# KiCad board thunderbolt-adapter.kicad_pcb (continued)
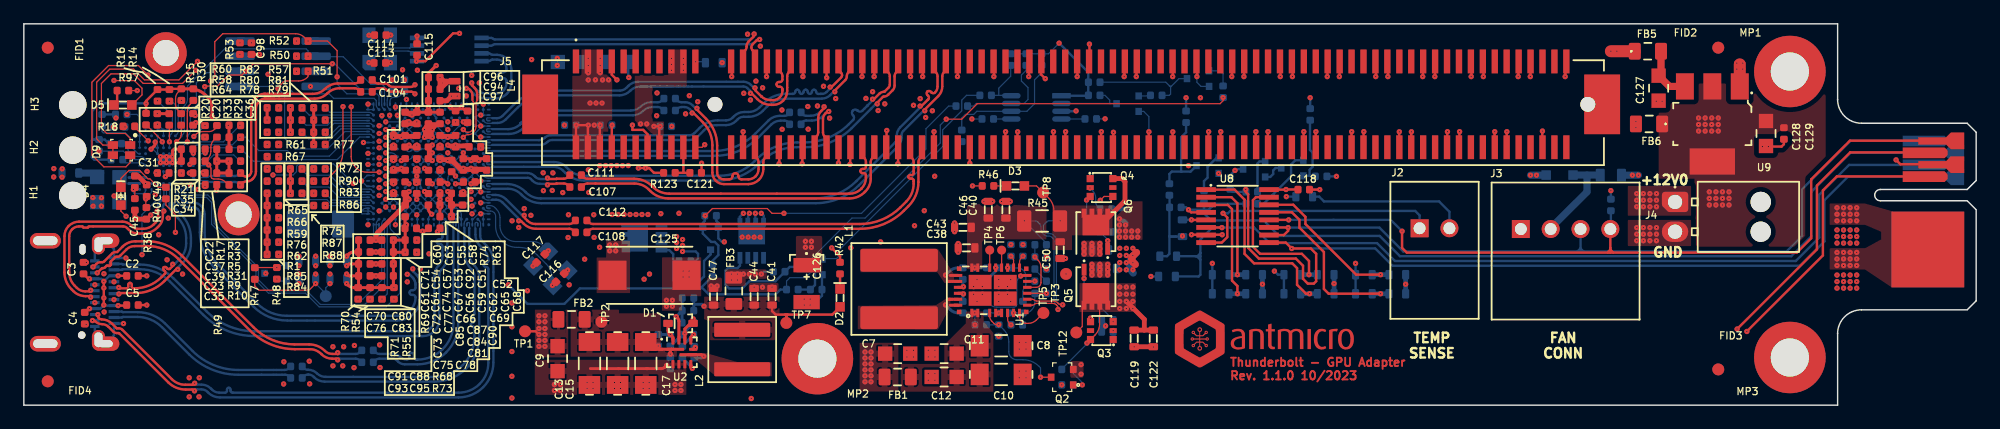
[diagram p0: board, top side]
## Library data of the parts (continued)
R39 R129 = -: Author: Antmicro; License: Apache-2.0; MPN: CR0402-FX-1002GLF; Manufacturer: Bourns; Tolerance: 1%; Val: 10k; Field10: Author: Antmicro; Field11: License: Apache-2.0
R40 = -: Author: Antmicro; License: Apache-2.0; MPN: CR0402-FX-5101GLF; Manufacturer: Bourns; Tolerance: 1%; Val: 5k1; Field11: Author: Antmicro; Field12: License: Apache-2.0
R41 R105 R130 = -: Author: Antmicro; Current: 1A; License: Apache-2.0; MPN: CR0603-J/-000ELF; Manufacturer: Bourns; Val: 0R; Field11: Author: Antmicro; Field13: License: Apache-2.0
R42 = -: Author: Antmicro; License: Apache-2.0; MPN: CR0402-FX-3300GLF; Manufacturer: Bourns; Tolerance: 1%; Val: 330R; Field10: Author: Antmicro; Field11: License: Apache-2.0; Field12: Copyright (c) 2023 Antmicro; Field13: Apache-2.0 License
R43 = -: Author: Antmicro; License: Apache-2.0; MPN: CR0402-FX-1103GLF; Manufacturer: Bourns; Tolerance: 1%; Val: 110k; Field10: Author: Antmicro; Field11: Copyright (c) 2023 Antmicro; Field12: Apache-2.0 License; Field13: License: Apache-2.0
R44 = -: Author: Antmicro; License: Apache-2.0; MPN: CR0402-FX-1002GLF; Manufacturer: Bourns; Tolerance: 1%; Val: 10k; Field11: Copyright (c) 2023 Antmicro; Field12: Apache-2.0 License; Field13: License: Apache-2.0; Field14: Author: Antmicro
R45 = -: Author: Antmicro; License: Apache-2.0; MPN: WSLP1206R0200FEA; Manufacturer: Vishay; Tolerance: 1%; Val: 0R02; Field10: Apache-2.0 License; Field11: Author: Antmicro; Field13: Copyright (c) 2023 Antmicro; Field14: License: Apache-2.0
R46 = -: Author: Antmicro; License: Apache-2.0; MPN: CR0402-FX-2201GLF; Manufacturer: Bourns; Tolerance: 1%; Val: 2k2; Field11: Author: Antmicro; Field12: License: Apache-2.0; Field13: Apache-2.0 License; Field14: Copyright (c) 2023 Antmicro
R47 R120 = -: Author: Antmicro; License: Apache-2.0; MPN: CR0402-FX-1001GLF; Manufacturer: Bourns; Tolerance: 1%; Val: 1k; Field10: Author: Antmicro; Field11: License: Apache-2.0
R49 R126 = -: Author: Antmicro; License: Apache-2.0; MPN: CR0402-FX-3300GLF; Manufacturer: Bourns; Tolerance: 1%; Val: 330R; Field10: License: Apache-2.0; Field12: Author: Antmicro
R50 R53 = -: Author: Antmicro; License: Apache-2.0; MPN: CR0402-FX-3301GLF; Manufacturer: Bourns; Tolerance: 1%; Val: 3k3; Field10: Author: Antmicro; Field11: License: Apache-2.0
R52 = -: Author: Antmicro; License: Apache-2.0; MPN: CR0402-FX-3301GLF; Manufacturer: Bourns; Tolerance: 1%; Val: 3k3; Field10: License: Apache-2.0; Field11: Author: Antmicro
R54 = -: Author: Antmicro; License: Apache-2.0; MPN: CR0402-FX-1004GLF; Manufacturer: Bourns; Tolerance: 1%; Val: 1M; Field10: Author: Antmicro; Field11: License: Apache-2.0
R55 = -: Author: Antmicro; License: Apache-2.0; MPN: CR0402-FX-1004GLF; Manufacturer: Bourns; Tolerance: 1%; Val: 1M; Field11: License: Apache-2.0; Field12: Author: Antmicro
R56 R65 R83 R94 = -: Author: Antmicro; License: Apache-2.0; MPN: CR0402-FX-1002GLF; Manufacturer: Bourns; Tolerance: 1%; Val: 10k; Field10: License: Apache-2.0; Field12: Author: Antmicro
R59 R97 = -: Author: Antmicro; License: Apache-2.0; MPN: CR0402-FX-2201GLF; Manufacturer: Bourns; Tolerance: 1%; Val: 2k2; Field11: License: Apache-2.0; Field12: Author: Antmicro
R61 = -: Author: Antmicro; License: Apache-2.0; MPN: CR0402-FX-2201GLF; Manufacturer: Bourns; Tolerance: 1%; Val: 2k2; Field10: Author: Antmicro; Field11: License: Apache-2.0
R62 = -: Author: Antmicro; License: Apache-2.0; MPN: CR0402-FX-2201GLF; Manufacturer: Bourns; Tolerance: 1%; Val: 2k2; Field11: Author: Antmicro; Field12: License: Apache-2.0
R63 = -: Author: Antmicro; DNP: DNP; License: Apache-2.0; MPN: CR0402-FX-1402GLF; Manufacturer: Bourns; Tolerance: 1%; Val: 14k; Field11: Author: Antmicro; Field12: License: Apache-2.0
R68 = -: Author: Antmicro; License: Apache-2.0; MPN: CR0402-FX-4990GLF; Manufacturer: Vishay; Tolerance: 1%; Val: 499R; Field11: License: Apache-2.0; Field12: Author: Antmicro
R69 = -: Author: Antmicro; License: Apache-2.0; MPN: ERJ-H2RD4751X; Manufacturer: Panasonic; Tolerance: 0.5%; Val: 4k75; Field10: License: Apache-2.0; Field12: Author: Antmicro
R70 = -: Author: Antmicro; License: Apache-2.0; MPN: CR0402-FX-1004GLF; Manufacturer: Bourns; Tolerance: 1%; Val: 1M; Field10: License: Apache-2.0; Field11: Author: Antmicro
R71 = -: Author: Antmicro; License: Apache-2.0; MPN: CR0402-FX-1004GLF; Manufacturer: Bourns; Tolerance: 1%; Val: 1M; Field11: Author: Antmicro; Field12: License: Apache-2.0
R73 = -: Author: Antmicro; License: Apache-2.0; MPN: CR0402-FX-4990GLF; Manufacturer: Vishay; Tolerance: 1%; Val: 499R; Field10: Author: Antmicro; Field12: License: Apache-2.0
R74 = -: Author: Antmicro; License: Apache-2.0; MPN: CR0402-FX-3011GLF; Manufacturer: Bourns; Tolerance: 1%; Val: 3k01; Field10: License: Apache-2.0; Field12: Author: Antmicro
R75 R77 R86 R122 = -: Author: Antmicro; License: Apache-2.0; MPN: CR0402-FX-1003GLF; Manufacturer: Bourns; Tolerance: 1%; Val: 100k; Field10: License: Apache-2.0; Field12: Author: Antmicro
R76 = -: Author: Antmicro; DNP: DNP; License: Apache-2.0; MPN: CR0402-FX-1402GLF; Manufacturer: Bourns; Tolerance: 1%; Val: 14k; Field11: License: Apache-2.0; Field13: Author: Antmicro
R80 = -: Author: Antmicro; License: Apache-2.0; MPN: CR0402-FX-1002GLF; Manufacturer: Bourns; Tolerance: 1%; Val: 10k; Field11: License: Apache-2.0; Field12: Author: Antmicro
R88 R89 = -: Author: Antmicro; License: Apache-2.0; MPN: CR0402-FX-1000GLF; Manufacturer: Bourns; Tolerance: 1%; Val: 100R; Field11: License: Apache-2.0; Field12: Author: Antmicro
R98 = -: Author: Antmicro; License: Apache-2.0; MPN: PMR03EZPJ000; Manufacturer: ROHM Semiconductor; Val: 0R; Field9: Author: Antmicro; Field11: License: Apache-2.0
R99 = -: Author: Antmicro; License: Apache-2.0; MPN: PMR03EZPJ000; Manufacturer: ROHM Semiconductor; Val: 0R; Field9: Author: Antmicro; Field10: License: Apache-2.0
R100 R103 R111 = -: Author: Antmicro; Current: 1A; DNP: DNP; License: Apache-2.0; MPN: CR0603-J/-000ELF; Manufacturer: Bourns; Val: 0R; Field12: License: Apache-2.0; Field14: Author: Antmicro
R101 = -: Author: Antmicro; Current: 1A; DNP: DNP; License: Apache-2.0; MPN: CR0603-J/-000ELF; Manufacturer: Bourns; Val: 0R; Field13: Author: Antmicro; Field14: License: Apache-2.0
R102 R108 R113 R119 = -: Author: Antmicro; Current: 1A; License: Apache-2.0; MPN: CR0603-J/-000ELF; Manufacturer: Bourns; Val: 0R; Field12: License: Apache-2.0; Field13: Author: Antmicro
R104 R106 R110 = -: Author: Antmicro; Current: 1A; DNP: DNP; License: Apache-2.0; MPN: CR0603-J/-000ELF; Manufacturer: Bourns; Val: 0R; Field12: Author: Antmicro; Field13: License: Apache-2.0
R107 R109 = -: Author: Antmicro; Current: 1A; DNP: DNP; License: Apache-2.0; MPN: CR0603-J/-000ELF; Manufacturer: Bourns; Val: 0R; Field13: License: Apache-2.0; Field14: Author: Antmicro
R112 = -: Author: Antmicro; Current: 1A; DNP: DNP; License: Apache-2.0; MPN: CR0603-J/-000ELF; Manufacturer: Bourns; Val: 0R; Field12: License: Apache-2.0; Field13: Author: Antmicro
R116 = -: Author: Antmicro; License: Apache-2.0; MPN: CR0402-FX-1001GLF; Manufacturer: Bourns; Tolerance: 1%; Val: 1k; Field10: Author: Antmicro; Field12: License: Apache-2.0
R117 R132 = -: Author: Antmicro; License: Apache-2.0; MPN: CR0402-FX-1001GLF; Manufacturer: Bourns; Tolerance: 1%; Val: 1k; Field11: Author: Antmicro; Field12: License: Apache-2.0
R118 = -: Author: Antmicro; Current: 1A; License: Apache-2.0; MPN: CR0603-J/-000ELF; Manufacturer: Bourns; Val: 0R; Field11: License: Apache-2.0; Field13: Author: Antmicro
R123 = -: Author: Antmicro; Current: 1A; License: Apache-2.0; MPN: ERJ2GE0R00X; Manufacturer: Panasonic; Val: 0R; Field12: License: Apache-2.0; Field13: Author: Antmicro
R127 = -: Author: Antmicro; License: Apache-2.0; MPN: CR0402-FX-68R0GLF; Manufacturer: Bourns; Tolerance: 1%; Val: 68R; Field11: License: Apache-2.0; Field12: Author: Antmicro
R128 = -: Author: Antmicro; License: Apache-2.0; MPN: CR0402-FX-68R0GLF; Manufacturer: Bourns; Tolerance: 1%; Val: 68R; Field10: License: Apache-2.0; Field11: Author: Antmicro
R131 = -: Author: Antmicro; License: Apache-2.0; MPN: CR0402-FX-1001GLF; Manufacturer: Bourns; Tolerance: 1%; Val: 1k; Field10: License: Apache-2.0; Field11: Author: Antmicro
R133 = -: Author: Antmicro; License: Apache-2.0; MPN: CR0402-FX-3300GLF; Manufacturer: Bourns; Tolerance: 1%; Val: 330R; Field11: License: Apache-2.0; Field12: Author: Antmicro
R134 = -: Author: Antmicro; DNP: DNP; License: Apache-2.0; MPN: CR0402-FX-1001GLF; Manufacturer: Bourns; Tolerance: 1%; Val: 1k; Field11: License: Apache-2.0; Field13: Author: Antmicro
R135 = -: Author: Antmicro; DNP: DNP; License: Apache-2.0; MPN: CR0402-FX-1003GLF; Manufacturer: Bourns; Tolerance: 1%; Val: 100k; Field11: License: Apache-2.0; Field13: Author: Antmicro
R136 = -: Author: Antmicro; DNP: DNP; License: Apache-2.0; MPN: CR0402-FX-1001GLF; Manufacturer: Bourns; Tolerance: 1%; Val: 1k; Field11: License: Apache-2.0; Field12: Author: Antmicro
R137 = -: Author: Antmicro; DNP: DNP; License: Apache-2.0; MPN: CR0402-FX-1003GLF; Manufacturer: Bourns; Tolerance: 1%; Val: 100k; Field12: Author: Antmicro; Field13: License: Apache-2.0
R138 = -: Author: Antmicro; Current: 1A; DNP: DNP; License: Apache-2.0; MPN: ERJ2GE0R00X; Manufacturer: Panasonic; Val: 0R; Field13: Author: Antmicro; Field14: License: Apache-2.0
R139 = -: Author: Antmicro; DNP: DNP; License: Apache-2.0; MPN: CR0402-FX-1003GLF; Manufacturer: Bourns; Tolerance: 1%; Val: 100k; Field11: Author: Antmicro; Field12: License: Apache-2.0
R140 R141 = -: Author: Antmicro; DNP: DNP; License: Apache-2.0; MPN: CR0402-FX-1003GLF; Manufacturer: Bourns; Tolerance: 1%; Val: 100k; Field11: Author: Antmicro; Field13: License: Apache-2.0
R142 R143 = -: Author: Antmicro; DNP: DNP; License: Apache-2.0; MPN: CR0402-FX-1001GLF; Manufacturer: Bourns; Tolerance: 1%; Val: 1k; Field12: License: Apache-2.0; Field13: Author: Antmicro
R144 = -: Author: Antmicro; DNP: DNP; License: Apache-2.0; MPN: CR0402-FX-1001GLF; Manufacturer: Bourns; Tolerance: 1%; Val: 1k; Field11: Author: Antmicro; Field12: License: Apache-2.0
TP4 = -: Author: Antmicro; License: Apache-2.0; Field8: License: Apache-2.0; Field9: Apache-2.0 License; Field10: Copyright (c) 2023 Antmicro; Field12: Author: Antmicro
TP5 TP7 = -: Author: Antmicro; License: Apache-2.0; Field8: Author: Antmicro; Field10: License: Apache-2.0
TP6 = -: Author: Antmicro; License: Apache-2.0; Field8: Author: Antmicro; Field10: License: Apache-2.0; Field11: Apache-2.0 License; Field12: Copyright (c) 2023 Antmicro
TP8 TP10 = -: Author: Antmicro; License: Apache-2.0; Field8: License: Apache-2.0; Field9: Author: Antmicro
U1 = -: Author: Antmicro; License: Apache-2.0; Manufacturer: Analog Devices; Field8: License: Apache-2.0; Field9: Author: Antmicro
U2 = -: Author: Antmicro; License: Apache-2.0; MPN: MP2386GG-P; Manufacturer: Monolithic Power Systems; Field8: Apache-2.0 License; Field9: Author: Antmicro; Field10: License: Apache-2.0; Field12: Copyright (c) 2023 Antmicro
U3 = -: Author: Antmicro; License: Apache-2.0; Manufacturer: Texas Instruments; Field8: License: Apache-2.0; Field9: Author: Antmicro
U4 = -: Author: Antmicro; License: Apache-2.0; Manufacturer: Intel; Field9: Author: Antmicro; Field10: License: Apache-2.0
U5 = -: Author: Antmicro; License: Apache-2.0; Manufacturer: Macronix; Field8: License: Apache-2.0; Field10: Author: Antmicro
U6 = -: Author: Antmicro; License: Apache-2.0; Manufacturer: Skyworks; Field8: Author: Antmicro; Field9: License: Apache-2.0
U7 = -: Author: Antmicro; DNP: DNP; License: Apache-2.0; Manufacturer: Macronix; Field9: License: Apache-2.0; Field10: Author: Antmicro
U8 = -: Author: Antmicro; License: Apache-2.0; MPN: MAX6643LBBAEE+; Manufacturer: Analog Devices; Field9: Author: Antmicro; Field10: License: Apache-2.0
U9 = -: Author: Antmicro; License: Apache-2.0; MPN: LM1117IMP-3.3/NOPB; Manufacturer: Texas Instruments; Field8: Author: Antmicro; Field10: License: Apache-2.0
U10 = -: Author: Antmicro; DNP: DNP; License: Apache-2.0; MPN: LM3881MME/NOPB; Manufacturer: Texas Instruments; Field9: License: Apache-2.0; Field11: Author: Antmicro
Y1 = -: Author: Antmicro; License: Apache-2.0; Manufacturer: Abracon; Val: 25.000MHz; Field9: License: Apache-2.0; Field11: Author: Antmicro
Y2 = -: Author: Antmicro; License: Apache-2.0; Manufacturer: Abracon; Val: 25.000MHz; Field10: License: Apache-2.0; Field11: Author: Antmicro

## Footprints (pads in the part's own frame, mm; a bottom-side part is the same pattern mirrored in y, then rotated)
AMPHENOL_10146070-113Y0LF
  round 1.25 hole 1.25 unplated: (-29.851,0.5) (43.298,0.5)
  rect 0.53x2 smd: A1(-41.5,4.1) A2(-40.5,4.1) A3(-39.5,4.1) A4(-38.5,4.1) A5(-37.5,4.1) A6(-36.5,4.1) A7(-35.5,4.1) A8(-34.5,4.1) A9(-33.5,4.1) A10(-32.5,4.1) A11(-31.5,4.1) A12(-28.5,4.1) A13(-27.5,4.1) A14(-26.5,4.1) A15(-25.5,4.1) A16(-24.5,4.1) A17(-23.5,4.1) A18(-22.5,4.1) A19(-21.5,4.1) A20(-20.5,4.1) A21(-19.5,4.1) A22(-18.5,4.1) A23(-17.5,4.1) A24(-16.5,4.1) A25(-15.501,4.1) A26(-14.501,4.1) A27(-13.501,4.1) A28(-12.501,4.1) A29(-11.501,4.1) A30(-10.501,4.1) A31(-9.501,4.1) A32(-8.501,4.1) A33(-7.502,4.1) A34(-6.502,4.1) A35(-5.502,4.1) A36(-4.502,4.1) A37(-3.501,4.1) A38(-2.501,4.1) A39(-1.502,4.1) A40(-0.501,4.1) A41(0.498,4.1) A42(1.499,4.1) A43(2.499,4.1) A44(3.499,4.1) A45(4.498,4.1) A46(5.499,4.1) A47(6.499,4.1) A48(7.499,4.1) A49(8.499,4.1) A50(9.499,4.1) A51(10.499,4.1) A52(11.499,4.1) A53(12.499,4.1) A54(13.499,4.1) A55(14.499,4.1) A56(15.499,4.1) A57(16.498,4.1) A58(17.498,4.1) A59(18.498,4.1) A60(19.498,4.1) A61(20.498,4.1) A62(21.498,4.1) A63(22.498,4.1) A64(23.498,4.1) A65(24.498,4.1) A66(25.498,4.1) A67(26.498,4.1) A68(27.499,4.1) A69(28.499,4.1) A70(29.499,4.1) A71(30.499,4.1) A72(31.499,4.1) A73(32.499,4.1) A74(33.499,4.1) A75(34.499,4.1) A76(35.499,4.1) A77(36.499,4.1) A78(37.499,4.1) A79(38.499,4.1) A80(39.499,4.1) A81(40.499,4.1) A82(41.499,4.1) B1(-41.5,-3.1) B2(-40.5,-3.1) B3(-39.5,-3.1) B4(-38.5,-3.1) B5(-37.5,-3.1) B6(-36.5,-3.1) B7(-35.5,-3.1) B8(-34.5,-3.1) B9(-33.5,-3.1) B10(-32.5,-3.1) B11(-31.5,-3.1) B12(-28.5,-3.1) B13(-27.5,-3.1) B14(-26.5,-3.1) B15(-25.5,-3.1) B16(-24.5,-3.1) B17(-23.5,-3.1) B18(-22.5,-3.1) B19(-21.5,-3.1) B20(-20.5,-3.1) B21(-19.5,-3.1) B22(-18.5,-3.1) B23(-17.5,-3.1) B24(-16.5,-3.1) B25(-15.501,-3.1) B26(-14.501,-3.1) B27(-13.501,-3.1) B28(-12.501,-3.1) B29(-11.501,-3.1) B30(-10.501,-3.1) B31(-9.501,-3.1) B32(-8.501,-3.1) B33(-7.502,-3.1) B34(-6.502,-3.1) B35(-5.502,-3.1) B36(-4.502,-3.1) B37(-3.501,-3.1) B38(-2.501,-3.1) B39(-1.502,-3.1) B40(-0.501,-3.1) B41(0.498,-3.1) B42(1.499,-3.1) B43(2.499,-3.1) B44(3.499,-3.1) B45(4.498,-3.1) B46(5.499,-3.1) B47(6.499,-3.1) B48(7.499,-3.1) B49(8.499,-3.1) B50(9.499,-3.1) B51(10.499,-3.1) B52(11.499,-3.1) B53(12.499,-3.1) B54(13.499,-3.1) B55(14.499,-3.1) B56(15.499,-3.1) B57(16.498,-3.1) B58(17.498,-3.1) B59(18.498,-3.1) B60(19.498,-3.1) B61(20.498,-3.1) B62(21.498,-3.1) B63(22.498,-3.1) B64(23.498,-3.1) B65(24.498,-3.1) B66(25.498,-3.1) B67(26.498,-3.1) B68(27.499,-3.1) B69(28.499,-3.1) B70(29.499,-3.1) B71(30.499,-3.1) B72(31.499,-3.1) B73(32.499,-3.1) B74(33.499,-3.1) B75(34.499,-3.1) B76(35.499,-3.1) B77(36.499,-3.1) B78(37.499,-3.1) B79(38.499,-3.1) B80(39.499,-3.1) B81(40.499,-3.1) B82(41.499,-3.1)
  rect 3x5 smd: S1(-44.5,0.5)
  custom 3.01x5.01 smd: S2(44.648,0.5)
C_0402_1005Metric
  rrect 0.59x0.64 smd: 1(-0.484,0) 2(0.484,0)
C_0603_1608Metric
  rrect 0.6x0.8 smd: 1(-0.7,0) 2(0.7,0)
C_0805_2012Metric
  rect 1.2x1.2 smd: 1(-1.05,0) 2(1.05,0)
C_1206_3216Metric
  rect 1.5x1.8 smd: 1(-1.8,0) 2(1.8,0)
Conn_Molex_NanoFit_1053131202
  round 1.7 hole 1.7 unplated: (7.179,0) (7.179,-2.499)
  custom 2.2x1.7 hole 1.2: 1(0,0)
  oval 2.2x1.7 hole 1.2: 2(0,-2.499)
D_SOD-323F
  rrect 0.8x0.6 smd: A(1.05,0) K(-1.051,0)
Edge_Conn_1-2212115-4
  custom 6.352x6.1 smd far side: 1(-1.901,7.498)
  custom 6.351x6.1 smd: 2(-1.901,7.498)
  custom 0.9x3.75 smd far side: 3(3.179,7.498)
  custom 1.401x3.85 smd far side: 4(4.376,10.038) 6(6.173,9.841)
  custom 0.901x3.75 smd far side: 5(5.194,7.082)
  custom 1.4x3.85 smd: 7(3.167,10.038)
  custom 0.902x3.751 smd: 8(4.138,6.802)
  custom 1.402x3.85 smd: 9(5.167,10.038)
  custom 0.901x3.751 smd: 10(6.198,7.044)
FB_0603_1608Metric
  rrect 0.762x1.09 smd: 1(-0.891,0) 2(0.888,0)
FB_0805_2012Metric
  rrect 1x1.4 smd: 1(-1.1,0.001) 2(1.1,0.001)
Fiducial_1mm_Mask3mm
  round 1 smd: (0,0)
IC_TPS65983BAZBHR
  round 0.25 smd: A1(-2.5,2.5) A11(2.5,2.5) B2(-2,2) B3(-1.5,2) B4(-1,2) B5(-0.5,2) B6(0,2) B7(0.5,2) B8(1,2) B9(1.5,2) B10(2,2) C2(-2,1.5) C10(2,1.5) D2(-2,1) D5(-0.5,1) D6(0,1) D7(0.5,1) D8(1,1) D10(2,1) E2(-2,0.5) E4(-1,0.5) E5(-0.5,0.5) E6(0,0.5) E7(0.5,0.5) E8(1,0.5) E10(2,0.5) F2(-2,0) F4(-1,0) F5(-0.5,0) F6(0,0) F7(0.5,0) F8(1,0) F10(2,0) G2(-2,-0.5) G4(-1,-0.5) G5(-0.5,-0.5) G6(0,-0.5) G7(0.5,-0.5) G8(1,-0.5) G10(2,-0.5) H2(-2,-1) H4(-1,-1) H5(-0.5,-1) H6(0,-1) H7(0.5,-1) H8(1,-1) H10(2,-1) J2(-2,-1.5) J10(2,-1.5) K2(-2,-2) K3(-1.5,-2) K4(-1,-2) K5(-0.5,-2) K6(0,-2) K7(0.5,-2) K8(1,-2) K9(1.5,-2) K10(2,-2) L1(-2.5,-2.5) L11(2.5,-2.5)
  oval 0.17x0.25 smd: A2(-2,2.5) A3(-1.5,2.5) A4(-1,2.5) A5(-0.5,2.5) A6(0,2.5) A7(0.5,2.5) A8(1,2.5) A9(1.5,2.5) A10(2,2.5) L2(-2,-2.5) L3(-1.5,-2.5) L4(-1,-2.5) L5(-0.5,-2.5) L6(0,-2.5) L7(0.5,-2.5) L8(1,-2.5) L9(1.5,-2.5) L10(2,-2.5)
  oval 0.25x0.17 smd: B1(-2.5,2) B11(2.5,2) C1(-2.5,1.5) C11(2.5,1.5) D1(-2.5,1) D11(2.5,1) E1(-2.5,0.5) E11(2.5,0.5) F1(-2.5,0) F11(2.5,0) G1(-2.5,-0.5) G11(2.5,-0.5) H1(-2.5,-1) H11(2.5,-1) J1(-2.5,-1.5) J11(2.5,-1.5) K1(-2.5,-2) K11(2.5,-2)
JHL6340SLLSQ
  round 0.254 smd: A1(-5.06,5.06) A23(5.06,5.06) AA2(-4.6,-4.14) AA22(4.6,-4.14) AB2(-4.6,-4.6) AB3(-4.14,-4.6) AB4(-3.68,-4.6) AB5(-3.22,-4.6) AB6(-2.76,-4.6) AB7(-2.3,-4.6) AB8(-1.84,-4.6) AB9(-1.38,-4.6) AB10(-0.92,-4.6) AB11(-0.46,-4.6) AB12(0,-4.6) AB13(0.46,-4.6) AB14(0.92,-4.6) AB15(1.38,-4.6) AB16(1.84,-4.6) AB17(2.3,-4.6) AB18(2.76,-4.6) AB19(3.22,-4.6) AB20(3.68,-4.6) AB21(4.14,-4.6) AB22(4.6,-4.6) AC1(-5.06,-5.06) AC23(5.06,-5.06) B2(-4.6,4.6) B3(-4.14,4.6) B4(-3.68,4.6) B5(-3.22,4.6) B6(-2.76,4.6) B7(-2.3,4.6) B8(-1.84,4.6) B9(-1.38,4.6) B10(-0.92,4.6) B11(-0.46,4.6) B12(0,4.6) B13(0.46,4.6) B14(0.92,4.6) B15(1.38,4.6) B16(1.84,4.6) B17(2.3,4.6) B18(2.76,4.6) B19(3.22,4.6) B20(3.68,4.6) B21(4.14,4.6) B22(4.6,4.6) C2(-4.6,4.14) C22(4.6,4.14) D2(-4.6,3.68) D4(-3.9,3.9) D5(-3.25,3.9) D6(-2.6,3.9) D8(-1.95,3.9) D9(-1.3,3.9) D11(-0.65,3.9) D12(0,3.9) D13(0.65,3.9) D15(1.3,3.9) D16(1.95,3.9) D18(2.6,3.9) D19(3.25,3.9) D20(3.9,3.9) D22(4.6,3.68) E2(-4.6,3.22) E4(-3.9,3.25) E5(-3.25,3.25) E6(-2.6,3.25) E8(-1.95,3.25) E9(-1.3,3.25) E11(-0.65,3.25) E12(0,3.25) E13(0.65,3.25) E15(1.3,3.25) E16(1.95,3.25) E18(2.6,3.25) E19(3.25,3.25) E20(3.9,3.25) E22(4.6,3.22) F2(-4.6,2.76) F4(-3.9,2.6) F5(-3.25,2.6) F6(-2.6,2.6) F8(-1.95,2.6) F9(-1.3,2.6) F11(-0.65,2.6) F12(0,2.6) F13(0.65,2.6) F15(1.3,2.6) F16(1.95,2.6) F18(2.6,2.6) F19(3.25,2.6) F20(3.9,2.6) F22(4.6,2.76) G2(-4.6,2.3) G22(4.6,2.3) H2(-4.6,1.84) H4(-3.9,1.95) H5(-3.25,1.95) H6(-2.6,1.95) H8(-1.95,1.95) H9(-1.3,1.95) H11(-0.65,1.95) H12(0,1.95) H13(0.65,1.95) H15(1.3,1.95) H16(1.95,1.95) H18(2.6,1.95) H19(3.25,1.95) H20(3.9,1.95) H22(4.6,1.84) J2(-4.6,1.38) J4(-3.9,1.3) J5(-3.25,1.3) J6(-2.6,1.3) J8(-1.95,1.3) J9(-1.3,1.3) J11(-0.65,1.3) J12(0,1.3) J13(0.65,1.3) J15(1.3,1.3) J16(1.95,1.3) J18(2.6,1.3) J19(3.25,1.3) J20(3.9,1.3) J22(4.6,1.38) K2(-4.6,0.92) K22(4.6,0.92) L2(-4.6,0.46) L4(-3.9,0.65) L5(-3.25,0.65) L6(-2.6,0.65) L8(-1.95,0.65) L9(-1.3,0.65) L11(-0.65,0.65) L12(0,0.65) L13(0.65,0.65) L15(1.3,0.65) L16(1.95,0.65) L18(2.6,0.65) L19(3.25,0.65) L20(3.9,0.65) L22(4.6,0.46) M2(-4.6,0) M4(-3.9,0) M5(-3.25,0) M6(-2.6,0) M8(-1.95,0) M9(-1.3,0) M11(-0.65,0) M12(0,0) M13(0.65,0) M15(1.3,0) M16(1.95,0) M18(2.6,0) M19(3.25,0) M20(3.9,0) M22(4.6,0) N2(-4.6,-0.46) N4(-3.9,-0.65) N5(-3.25,-0.65) N6(-2.6,-0.65) N8(-1.95,-0.65) N9(-1.3,-0.65) N11(-0.65,-0.65) N12(0,-0.65) N13(0.65,-0.65) N15(1.3,-0.65) N16(1.95,-0.65) N18(2.6,-0.65) N19(3.25,-0.65) N20(3.9,-0.65) N22(4.6,-0.46) P2(-4.6,-0.92) P22(4.6,-0.92) R2(-4.6,-1.38) R4(-3.9,-1.3) R5(-3.25,-1.3) R6(-2.6,-1.3) R8(-1.95,-1.3) R9(-1.3,-1.3) R11(-0.65,-1.3) R12(0,-1.3) R13(0.65,-1.3) R15(1.3,-1.3) R16(1.95,-1.3) R18(2.6,-1.3) R19(3.25,-1.3) R20(3.9,-1.3) R22(4.6,-1.38) T2(-4.6,-1.84) T4(-3.9,-1.95) T5(-3.25,-1.95) T6(-2.6,-1.95) T8(-1.95,-1.95) T9(-1.3,-1.95) T11(-0.65,-1.95) T12(0,-1.95) T13(0.65,-1.95) T15(1.3,-1.95) T16(1.95,-1.95) T18(2.6,-1.95) T19(3.25,-1.95) T20(3.9,-1.95) T22(4.6,-1.84) U2(-4.6,-2.3) U22(4.6,-2.3) V2(-4.6,-2.76) V4(-3.9,-2.6) V5(-3.25,-2.6) V6(-2.6,-2.6) V8(-1.95,-2.6) V9(-1.3,-2.6) V11(-0.65,-2.6) V12(0,-2.6) V13(0.65,-2.6) V15(1.3,-2.6) V16(1.95,-2.6) V18(2.6,-2.6) V19(3.25,-2.6) V20(3.9,-2.6) V22(4.6,-2.76) W2(-4.6,-3.22) W4(-3.9,-3.25) W5(-3.25,-3.25) W6(-2.6,-3.25) W8(-1.95,-3.25) W9(-1.3,-3.25) W11(-0.65,-3.25) W12(0,-3.25) W13(0.65,-3.25) W15(1.3,-3.25) W16(1.95,-3.25) W18(2.6,-3.25) W19(3.25,-3.25) W20(3.9,-3.25) W22(4.6,-3.22) Y2(-4.6,-3.68) Y4(-3.9,-3.9) Y5(-3.25,-3.9) Y6(-2.6,-3.9) Y8(-1.95,-3.9) Y9(-1.3,-3.9) Y11(-0.65,-3.9) Y12(0,-3.9) Y13(0.65,-3.9) Y15(1.3,-3.9) Y16(1.95,-3.9) Y18(2.6,-3.9) Y19(3.25,-3.9) Y20(3.9,-3.9) Y22(4.6,-3.68)
  oval 0.158x0.33 smd: A2(-4.6,5.06) A3(-4.14,5.06) A4(-3.68,5.06) A5(-3.22,5.06) A6(-2.76,5.06) A7(-2.3,5.06) A8(-1.84,5.06) A9(-1.38,5.06) A10(-0.92,5.06) A11(-0.46,5.06) A12(0,5.06) A13(0.46,5.06) A14(0.92,5.06) A15(1.38,5.06) A16(1.84,5.06) A17(2.3,5.06) A18(2.76,5.06) A19(3.22,5.06) A20(3.68,5.06) A21(4.14,5.06) A22(4.6,5.06) AC2(-4.6,-5.06) AC3(-4.14,-5.06) AC4(-3.68,-5.06) AC5(-3.22,-5.06) AC6(-2.76,-5.06) AC7(-2.3,-5.06) AC8(-1.84,-5.06) AC9(-1.38,-5.06) AC10(-0.92,-5.06) AC11(-0.46,-5.06) AC12(0,-5.06) AC13(0.46,-5.06) AC14(0.92,-5.06) AC15(1.38,-5.06) AC16(1.84,-5.06) AC17(2.3,-5.06) AC18(2.76,-5.06) AC19(3.22,-5.06) AC20(3.68,-5.06) AC21(4.14,-5.06) AC22(4.6,-5.06)
  oval 0.33x0.158 smd: AA1(-5.06,-4.14) AA23(5.06,-4.14) AB1(-5.06,-4.6) AB23(5.06,-4.6) B1(-5.06,4.6) B23(5.06,4.6) C1(-5.06,4.14) C23(5.06,4.14) D1(-5.06,3.68) D23(5.06,3.68) E1(-5.06,3.22) E23(5.06,3.22) F1(-5.06,2.76) F23(5.06,2.76) G1(-5.06,2.3) G23(5.06,2.3) H1(-5.06,1.84) H23(5.06,1.84) J1(-5.06,1.38) J23(5.06,1.38) K1(-5.06,0.92) K23(5.06,0.92) L1(-5.06,0.46) L23(5.06,0.46) M1(-5.06,0) M23(5.06,0) N1(-5.06,-0.46) N23(5.06,-0.46) P1(-5.06,-0.92) P23(5.06,-0.92) R1(-5.06,-1.38) R23(5.06,-1.38) T1(-5.06,-1.84) T23(5.06,-1.84) U1(-5.06,-2.3) U23(5.06,-2.3) V1(-5.06,-2.76) V23(5.06,-2.76) W1(-5.06,-3.22) W23(5.06,-3.22) Y1(-5.06,-3.68) Y23(5.06,-3.68)
KEMET_B
  rect 1.2x2.2 smd: 1(-1.551,0) 2(1.55,0)
KEMET_E
  rect 2.35x2.45 smd: 1(-3.101,0) 2(3.1,0)
L_0603_1608Metric
  rrect 0.55x1 smd: 1(-0.625,0) 2(0.625,0)
L_Coilcraft-XAL5030
  rrect 1.18x4.7 smd: 1(-1.655,0) 2(1.655,0)
L_Coilcraft-XAL7070
  rrect 1.92x6.5 smd: 1(-2.41,0) 2(2.41,0)
L_Vishay-IHLP1616BZ
  rrect 1.855x2.286 smd: 1(-1.892,0) 2(1.892,0)
LED_0603_1608Metric_G
  rect 0.8x0.8 smd: 1(-0.75,0) 2(0.75,0)
LED_Dual0603
  rect 0.65x0.85 smd: 1(-0.425,0.725) 2(0.425,0.725) 3(0.425,-0.725) 4(-0.425,-0.725)
Mech_Lightpipe_Mentor_1271.1001
  round 2.3 hole 2.3 unplated: (0,0)
mounting-hole-2.2mm_pad_3.5mm
  round 3.5 hole 2.2: 1(0,0)
mounting-hole-2.2mm_pad_3.5mm#2
  round 3.5 hole 2.2: 1(0.75,0.55)
mounting-hole-3.2mm
  round 6 hole 3.2: 1(0,0)
NetTie-2_SMD_Pad0.127mm
  round 0.127 smd: 1(-0.127,0) 2(0.126,0)
Oscillator_SMD_Geyer_KX-7-4Pin_3.2x2.5mm
  rrect 1.3x1.1 smd: 1(-1.101,-0.949)
  rect 1.3x1.1 smd: 2(1.199,-0.949) 3(1.199,0.85) 4(-1.101,0.85)
PinHeader_1x2_P2.5mm_Drill1mm_Horizontal_Shrouded
  rect 1.508x1.508 hole 1: 1(0,0)
  round 1.508 hole 1: 2(2.5,0)
PinHeader_1x4_P2.5mm_Drill1mm_Horizontal_Shrouded
  rect 1.508x1.508 hole 1: 1(0,0)
  round 1.508 hole 1: 2(2.5,0) 3(5,0) 4(7.5,0)
QFN-11_2x2mm_P0.5mm
  rrect 1.5x0.25 smd: 1(-0.552,0.25) 6(0.55,-0.2)
  rrect 0.25x0.7 smd: 2(-0.75,-0.998) 3(-0.25,-0.998) 4(0.248,-0.998) 5(0.748,-0.998) 8(0.748,1) 9(0.248,1) 10(-0.25,1) 11(-0.75,1)
  rrect 0.7x0.25 smd: 7(0.949,0.25)
QFN-32-4EP_4x6mm_P0.5mm
  rect 0.7x0.25 smd: 2(-1.899,1.75) 3(-1.899,1.25) 5(-1.899,0.25) 6(-1.899,-0.25) 7(-1.899,-0.75) 8(-1.899,-1.25) 9(-1.899,-1.75) 10(-1.899,-2.25) 17(1.899,-2.25) 18(1.899,-1.75) 19(1.899,-1.25) 20(1.899,-0.75) 21(1.899,-0.25) 22(1.899,0.25) 24(1.899,1.25) 25(1.899,1.75)
  rect 0.25x0.7 smd: 11(-1.25,-2.9) 12(-0.75,-2.9) 13(-0.25,-2.9) 14(0.25,-2.9) 15(0.75,-2.9) 16(1.25,-2.9) 27(1.25,2.9) 28(0.75,2.9) 29(0.25,2.9) 30(-0.25,2.9) 31(-0.75,2.9) 32(-1.25,2.9)
  rect 1.2x1.91 smd: 33(-0.696,1.055) 34(0.696,1.055) 35(-0.696,-1.055) 36(0.696,-1.055)
  rect 0.375x0.375 smd: MP(-1.812,2.812) MP(-1.812,-2.812) MP(1.812,2.812) MP(1.812,-2.812)
QSOP-16_3x4.75x0.75mm_P0.5mm
  rrect 1.64x0.41 smd: 1(-2.634,2.222) 2(-2.634,1.587) 3(-2.634,0.949) 4(-2.634,0.317) 5(-2.634,-0.317) 6(-2.634,-0.949) 7(-2.634,-1.587) 8(-2.634,-2.222) 9(2.634,-2.222) 10(2.634,-1.587) 11(2.634,-0.949) 12(2.634,-0.317) 13(2.634,0.317) 14(2.634,0.949) 15(2.634,1.587) 16(2.634,2.222)
R_0402_1005Metric
  rrect 0.59x0.64 smd: 1(-0.485,0) 2(0.485,0)
R_0603_1608Metric
  rrect 0.6x0.8 smd: 1(-0.7,0) 2(0.7,0)
R_1206_3216Metric
  rrect 1.2x1.8 smd: 1(-1.5,0) 2(1.499,0)
SOD-323
  rect 0.8x0.8 smd: A(1.125,0) K(-1.125,0)
SOIC-8_3.9x4.9x1.75mm_P1.27mm
  rrect 1.525x0.65 smd: 1(-2.714,1.905) 2(-2.714,0.635) 3(-2.714,-0.632) 4(-2.714,-1.902) 5(2.712,-1.902) 6(2.712,-0.632) 7(2.712,0.635) 8(2.712,1.905)
SOIC-8_5.3x5.3x2mm_P1.27mm
  rrect 1.65x0.65 smd: 1(-3.601,1.905) 2(-3.601,0.635) 3(-3.601,-0.633) 4(-3.601,-1.904) 5(3.6,-1.904) 6(3.6,-0.633) 7(3.6,0.635) 8(3.6,1.905)
SOT-223
  rect 1.5x2.2 smd: 1(-2.301,-3.148) 2(0,-3.148) 3(2.298,-3.148)
  rect 3.8x2.2 smd: 4(0,3.15)
SOT-323
  rect 0.55x0.6 smd: 1(-0.925,0.65) 2(-0.925,-0.65) 3(0.925,0)
SOT-363
  custom 0.6x0.6 smd: 1(-0.948,0.752) 3(-0.948,-0.745) 4(0.951,-0.745) 6(0.951,0.752)
  rect 0.6x0.4 smd: 2(-0.948,0.002) 5(0.951,0.002)
Testpoint_smd_1mm
  round 1 smd: 1(0,0)
TP_SMD_0.75mm
  round 0.75 smd: 1(0,0)
TSSOP-8_3x4.4mm_P0.65mm
  rect 1.2x0.4 smd: 1(-2.7,0.975) 2(-2.7,0.325) 3(-2.7,-0.325) 4(-2.7,-0.975) 5(2.7,-0.975) 6(2.7,-0.325) 7(2.7,0.325) 8(2.7,0.975)
USB-3.1-Gen2_Type-C_JAE_DX07S024JJ2_Horizontal
  round 0.63 hole 0.63 unplated: (-3.601,1.115)
  oval 0.88x0.53 hole 0.88x0.53 unplated: (3.6,1.18)
  rect 0.27x0.9 smd: A1(-2.625,3.817) A2(-2.125,3.817) A3(-1.625,3.817) A4(-1.125,3.817) A5(-0.625,3.817) A6(-0.125,3.817) A7(0.374,3.817) A8(0.874,3.817) A9(1.374,3.817) A10(1.874,3.817) A11(2.374,3.817) A12(2.874,3.817)
  rect 0.27x0.8 smd: B1(2.624,2.215) B2(2.124,2.215) B3(1.624,2.215) B4(1.124,2.215) B5(0.624,2.215) B6(0.124,2.215) B7(-0.375,2.215) B8(-0.875,2.215) B9(-1.375,2.215) B10(-1.875,2.215) B11(-2.375,2.215) B12(-2.875,2.215)
  oval 1.3x2.6 hole 0.75x2.05: SH(-4.321,-1.933) SH(4.32,-1.933)
  custom 1.75x2.3 hole 0.6x1.9: SH(-4.32,3.12) SH(4.32,3.12)
  oval 1.55x1 hole 1.25x0.7: SH(-3.99,2.52) SH(3.99,2.52)
Vishay_PowerPAK_1212-8_Single
  rect 0.99x0.405 smd: 1(-1.436,0.99) 2(-1.436,0.332) 3(-1.436,-0.33) 4(-1.436,-0.988)
  custom 2.235x2.39 smd: 5(0.557,0)
VSSOP-8_3x3mm_P0.65mm
  rect 1.557x0.458 smd: 1(-2.096,0.975)
  rrect 1.557x0.458 smd: 2(-2.096,0.326) 3(-2.096,-0.325) 4(-2.096,-0.974) 5(2.105,-0.974) 6(2.105,-0.325) 7(2.105,0.326) 8(2.105,0.975)

## Nets
3V3_FAN_CTRL: C118.2 D9.3 D9.4 FB6.2 Q12.3 R100.2 R102.2 R104.2 R106.2 R108.2 R110.2 R112.2 R114.2 R119.2 R126.2 R129.2 U8.16
3V3_PCIE: C120.2 C126.1 J5.A9 J5.A10 J5.B8 J6.3 Q9.5
3V3_PCIE_AUX: C121.2 J5.B10 R123.2
3V3_PGOOD: R23.1 U2.5
3V3_SYS: C22.2 C23.2 C70.2 C72.2 C73.2 C76.2 C80.2 C83.2 C88.2 C91.2 C93.2 C95.2 C97.2 C98.2 C115.2 D4.1 FB3.2 L4.2 Q9.1 Q9.2 Q9.3 R2.2 R3.2 R5.2 R50.2 R51.2 R52.2 R53.1 R56.1 R64.1 R65.1 R66.1 R67.1 R83.2 R90.2 R121.2 R123.1 R135.2 R137.2 R139.2 R140.2 R141.2 U3.B1 U3.H1 U4.A2 U4.A3 U4.B3 U4.F8 U4.H9 U5.8 U6.1 U7.8 U10.1
5V0_USB: C2.2 C3.2 C4.2 C5.2 C7.2 C9.2 FB1.1 FB2.1 J6.5 J9.A4 J9.A9 J9.B4 J9.B9 R41.2 TP1.1
12V0_DCDC: C50.2 D3.1 Q4.6 Q6.5 R45.2 TP8.1 TP11.2
12V0_MOLEX: C119.2 C122.2 D5.1 J4.2 J6.1 Q3.6 Q5.5 R91.1 TP12.1
12V0_PCIE: C1.2 C6.2 C123.2 C124.2 C125.1 J5.A2 J5.A3 J5.B1 J5.B2 J5.B3 Q10.5
12V0_PGOOD: R22.1 TP3.1 U1.16
12V0_SYS: FB4.2 FB5.1 Q10.1 Q10.2 Q10.3 R98.1 R99.1 R122.2
/Power/3V3_PCIE_EN: Q7.1 R116.2 R124.2 R142.2
/Power/12V0_PCIE_EN: Q8.1 R120.2 R125.2 R143.2
GND: C1.1 C2.1 C3.1 C4.1 C5.1 C6.1 C7.1 C8.1 C9.1 C10.1 C11.1 C12.1 C13.1 C14.1 C15.1 C16.1 C17.1 C18.1 C19.1 C20.1 C21.1 C22.1 C23.1 C24.1 C25.1 C29.2 C30.2 C31.1 C32.1 C34.2 C35.2 C36.2 C37.2 C38.1 C39.2 C40.1 C41.1 C42.1 C43.1 C44.1 C45.1 C46.1 C47.1 C48.1 C49.1 C50.1 C51.1 C52.1 C53.1 C54.1 C55.1 C56.1 C57.1 C58.1 C59.1 C60.1 C61.1 C62.1 C63.1 C64.1 C65.1 C66.1 C67.1 C68.1 C69.1 C70.1 C71.1 C72.1 C73.1 C74.1 C75.1 C76.1 C77.1 C78.1 C79.1 C80.1 C81.1 C82.1 C83.1 C84.1 C85.1 C86.1 C87.1 C88.1 C89.1 C90.1 C91.1 C92.1 C93.1 C94.1 C95.1 C96.1 C97.1 C98.1 C113.1 C114.1 C115.1 C116.2 C117.2 C118.1 C119.1 C120.1 C121.1 C122.1 C123.1 C124.1 C125.2 C126.2 C127.1 C128.1 C129.1 C130.1 D1.A D7.A J3.1 J4.1 J5.A4 J5.A12 J5.A15 J5.A18 J5.A20 J5.A23 J5.A24 J5.A27 J5.A28 J5.A31 J5.A34 J5.A37 J5.A38 J5.A41 J5.A42 J5.A45 J5.A46 J5.A49 J5.A51 J5.A54 J5.A55 J5.A58 J5.A59 J5.A62 J5.A63 J5.A66 J5.A67 J5.A70 J5.A71 J5.A74 J5.A75 J5.A78 J5.A79 J5.A82 J5.B4 J5.B7 J5.B13 J5.B16 J5.B18 J5.B21 J5.B22 J5.B25 J5.B26 J5.B29 J5.B32 J5.B35 J5.B36 J5.B39 J5.B40 J5.B43 J5.B44 J5.B47 J5.B49 J5.B52 J5.B53 J5.B56 J5.B57 J5.B60 J5.B61 J5.B64 J5.B65 J5.B68 J5.B69 J5.B72 J5.B73 J5.B76 J5.B77 J5.B80 J6.2 J6.4 J9.A1 J9.A12 J9.B1 J9.B12 J9.SH MP1.1 MP2.1 MP3.1 Q1.2 Q2.2 Q7.2 Q8.2 Q11.2 Q14.2 Q15.2 R1.1 R4.1 R8.1 R9.1 R11.1 R21.1 R24.1 R28.2 R31.2 R32.2 R33.2 R35.2 R37.1 R38.1 R40.1 R42.1 R44.1 R46.1 R48.1 R54.1 R55.1 R57.1 R58.1 R59.1 R60.1 R61.1 R62.1 R63.1 R68.1 R70.2 R71.2 R72.2 R73.2 R74.2 R75.2 R76.2 R77.2 R78.2 R79.2 R80.2 R81.2 R82.2 R84.2 R85.2 R86.2 R87.2 R88.2 R89.2 R92.1 R93.1 R94.1 R95.1 R96.1 R97.1 R101.1 R103.1 R105.1 R107.1 R109.1 R111.1 R113.1 R115.1 R118.1 R124.1 R125.1 R133.1 R138.1 U1.33 U1.34 U1.35 U1.36 U2.2 U2.3 U2.4 U2.9 U3.A1 U3.B8 U3.D8 U3.E5 U3.E6 U3.E7 U3.E8 U3.F5 U3.F6 U3.F7 U3.F8 U3.G5 U3.G6 U3.G7 U3.G8 U3.H4 U3.H5 U3.H8 U3.K2 U3.K3 U3.K9 U3.K10 U3.L1 U3.L2 U3.L3 U4.A1 U4.A6 U4.A8 U4.A10 U4.A12 U4.A14 U4.A16 U4.A18 U4.A20 U4.A22 U4.AA22 U4.AA23 U4.AB1 U4.AB2 U4.AB6 U4.AB8 U4.AB10 U4.AB12 U4.AB14 U4.AB16 U4.AB18 U4.AB20 U4.AB22 U4.AC1 U4.AC2 U4.AC6 U4.AC8 U4.AC10 U4.AC12 U4.AC14 U4.AC16 U4.AC18 U4.AC20 U4.AC22 U4.B1 U4.B2 U4.B6 U4.B8 U4.B10 U4.B12 U4.B14 U4.B16 U4.B18 U4.B20 U4.B22 U4.C22 U4.C23 U4.D5 U4.D6 U4.D8 U4.D9 U4.D11 U4.D12 U4.D13 U4.D15 U4.D16 U4.D18 U4.E4 U4.E5 U4.E6 U4.E8 U4.E9 U4.E11 U4.E15 U4.E16 U4.E22 U4.E23 U4.F5 U4.F6 U4.F9 U4.F16 U4.F20 U4.G22 U4.G23 U4.H1 U4.H2 U4.H5 U4.H8 U4.H12 U4.H13 U4.H15 U4.H16 U4.H20 U4.J5 U4.J8 U4.J12 U4.J13 U4.J15 U4.J18 U4.J19 U4.J20 U4.J22 U4.J23 U4.K1 U4.K2 U4.L5 U4.L13 U4.L15 U4.L20 U4.L22 U4.L23 U4.M1 U4.M2 U4.M5 U4.M11 U4.M12 U4.M19 U4.M20 U4.N5 U4.N8 U4.N9 U4.N11 U4.N12 U4.N13 U4.N15 U4.N20 U4.N22 U4.N23 U4.P1 U4.P2 U4.R5 U4.R18 U4.R19 U4.R20 U4.R22 U4.R23 U4.T1 U4.T2 U4.T5 U4.T6 U4.T8 U4.T9 U4.T13 U4.T15 U4.T16 U4.T18 U4.T20 U4.U22 U4.U23 U4.V5 U4.V6 U4.V8 U4.V9 U4.V15 U4.V16 U4.V20 U4.W5 U4.W6 U4.W8 U4.W9 U4.W13 U4.W18 U4.W20 U4.W22 U4.W23 U4.Y9 U4.Y13 U4.Y20 U5.4 U6.4 U7.4 U8.7 U9.1 U10.3 Y1.2 Y1.4 Y2.2 Y2.4
VBUS: C42.2 C48.2 R41.1 U3.H11 U3.J10 U3.J11 U3.K11
VCC_0P9: C74.2 C77.2 C79.2 C81.2 C82.2 C84.2 C86.2 C87.2 C89.2 L3.2 R47.1 R116.1 R120.1 R134.1 TP9.1 U4.E12 U4.E13 U4.F11 U4.F12 U4.F13 U4.F15 U4.J9 U4.L9 U4.M9
/Connectors/OT1: R100.1 R101.2 U8.14
/Connectors/OT2: R106.1 R107.2 U8.13
/Connectors/PCIE_PERST: J5.A11 R130.2
/Connectors/TACHSET: R119.1 U8.5
/Connectors/TH1: R102.1 R103.2 U8.1
/Connectors/TH2: R108.1 R109.2 U8.15
/Connectors/TL1: R104.1 R105.2 U8.3
/Connectors/TL2: R110.1 R111.2 U8.2
/Power/DCDC_EN: Q2.3 R7.1 R8.2 U1.5
/Power/I_SENSE_N: TP11.1 U1.12
/Power/I_SENSE_P: TP10.1 U1.11
/Power/PCIE_PERST: R144.2
/Power/SMPS_LDO: C25.2 R23.2 U2.8
/Power/SMPS_VREF: C16.2 R12.1 R13.1 R27.2 U1.9
/Power/TPS_3V3: C39.1 R10.1 R14.1 R15.1 R16.1 R17.1 R19.1 R20.1 R29.2 R30.2 R34.2 R39.2 U3.G1
/TB Controller/FLASH_HOLD: R53.2 U5.7 U7.7
/TB Controller/FLASH_WP: R51.1 U4.V1 U5.3 U7.3
/TB Controller/PA_AUX_N: C104.2 U4.W15
/TB Controller/PA_AUX_P: C101.2 U4.Y15
/TB Controller/PA_TX0_N: C102.2 U4.B19
/TB Controller/PA_TX0_P: C99.2 U4.A19
/TB Controller/PA_TX1_N: C103.2 U4.B17
/TB Controller/PA_TX1_P: C100.2 U4.A17
/TB Controller/PCIE_CLK_JHL_N: U4.T19 U6.8
/TB Controller/PCIE_CLK_JHL_P: U4.V19 U6.7
/TB Controller/TX0_N: C105.1 U4.V22
/TB Controller/TX0_P: C109.1 U4.V23
/TB Controller/TX1_N: C106.1 U4.P22
/TB Controller/TX1_P: C110.1 U4.P23
/TB Controller/TX2_N: C107.1 U4.K22
/TB Controller/TX2_P: C111.1 U4.K23
/TB Controller/TX3_N: C108.1 U4.F22
/TB Controller/TX3_P: C112.1 U4.F23
AUX_N: C104.1 R10.2 U3.J2
AUX_P: C101.1 R9.2 U3.J1
CC1: C49.2 J9.A5 R40.2 U3.L9
CC2: C45.2 J9.B5 R38.2 U3.L10
FAN_FAIL: J6.9 R114.1 R117.1 R131.1 U8.4
FAN_OT: J6.7 R129.1 R132.1 U8.9
FAN_TACH1: J3.3 J6.10 U8.10 U8.11
FULLSPD: J6.8 R112.1 R113.2 U8.6
HPD: R4.2 R18.1 U4.M4
I2C1_IRQ: R2.1 U3.C1 U4.J4
I2C1_SCL: R3.1 U3.D2 U4.U2
I2C1_SDA: R5.1 U3.D1 U4.U1
LSX_P2R: R54.2 U3.K4 U4.A4
LSX_R2P: R55.2 U3.L4 U4.A5
PCIE_CLK_CON_N: J5.A14 U6.6
PCIE_CLK_CON_P: J5.A13 U6.5
PCIE_PWRGD: R1.2 R130.1 U4.L4
PCIE_RX0_N: J5.A17 U4.Y22
PCIE_RX0_P: J5.A16 U4.Y23
PCIE_RX1_N: J5.A22 U4.T22
PCIE_RX1_P: J5.A21 U4.T23
PCIE_RX2_N: J5.A26 U4.M22
PCIE_RX2_P: J5.A25 U4.M23
PCIE_RX3_N: J5.A30 U4.H22
PCIE_RX3_P: J5.A29 U4.H23
PCIE_TX0_N: C105.2 J5.B15
PCIE_TX0_P: C109.2 J5.B14
PCIE_TX1_N: C106.2 J5.B20
PCIE_TX1_P: C110.2 J5.B19
PCIE_TX2_N: C107.2 J5.B24
PCIE_TX2_P: C111.2 J5.B23
PCIE_TX3_N: C108.2 J5.B28
PCIE_TX3_P: C112.2 J5.B27
PCIE_WAKE: J5.B11 R90.1 U4.F2
PP_5V0: C21.2 U3.A11 U3.B11 U3.C11 U3.D11 U3.H10
PP_HV: C20.2 U3.A6 U3.A7 U3.A8 U3.B7
PWM_OUT: J3.4 J6.6 R115.2 U8.12
RESET_N: R39.1 U3.F11 U4.F4
SBU1: J9.A8 U3.K8
SBU2: J9.B8 U3.L8
SPI_CS: R52.1 U3.B3 U4.AC3 U5.1 U7.1
SPI_MISO: R50.1 U3.A4 U4.AC4 U5.2 U7.2
SPI_MOSI: U3.B4 U4.AB3 U5.5 U7.5
SPI_SCLK: U3.A3 U4.AB4 U5.6 U7.6
TB_RX0_N: J9.B10 U4.A21
TB_RX0_P: J9.B11 U4.B21
TB_RX1_N: J9.A10 U4.B15
TB_RX1_P: J9.A11 U4.A15
TB_TX0_N: C102.1 J9.A3
TB_TX0_P: C99.1 J9.A2
TB_TX1_N: C103.1 J9.B3
TB_TX1_P: C100.1 J9.B2
TEMP_SENSE_1: J2.1 U8.8
TEMP_SENSE_2: J2.2 R118.2
USB_B_N: J9.B7 U3.L7
USB_B_P: J9.B6 U3.K7
USB_RP_N: U3.K5 U4.D20
USB_RP_P: U3.L5 U4.E20
USB_T_N: J9.A7 U3.L6
USB_T_P: J9.A6 U3.K6
Net-(C10-Pad2): C8.2 C10.2 C11.2 C12.2 C14.2 FB1.2 R7.2 U1.2 U1.3
Net-(C13-Pad2): C13.2 C15.2 C17.2 C24.2 FB2.2 R6.2 TP2.1 U2.1
Net-(C18-Pad2): C18.2 R22.2 U1.6 U1.7
Net-(C19-Pad2): C19.2 U1.17
Net-(C26-Pad1): C26.1 U1.30
Net-(C26-Pad2): C26.2 L1.1 U1.31 U1.32
Net-(C27-Pad1): C27.1 U2.7
Net-(C27-Pad2): C27.2 L2.1 U2.6
Net-(C28-Pad1): C28.1 U1.29
Net-(C28-Pad2): C28.2 L1.2 U1.27 U1.28
Net-(C29-Pad1): C29.1 R26.1 U1.21
Net-(C30-Pad1): C30.1 R25.2
Net-(C31-Pad2): C31.2 U3.H7
Net-(C32-Pad2): C32.2 C38.2 C40.2 C43.2 C46.2 R26.2 R43.2 R45.1 TP10.2 U1.24 U1.25
Net-(C33-Pad1): C33.1 R36.1 R37.2 U2.10
Net-(C33-Pad2): C33.2 C41.2 C44.2 C47.2 D2.1 FB3.1 L2.2 R36.2 TP7.1
Net-(C34-Pad1): C34.1 U3.H2
Net-(C35-Pad1): C35.1 U3.K1
Net-(C36-Pad1): C36.1 U3.A2
Net-(C37-Pad1): C37.1 U3.E1
Net-(C51-Pad2): C51.2 C52.2 U4.R15 U4.R16
Net-(C53-Pad2): C53.2 C55.2 C58.2 C61.2 C64.2 C67.2 U4.L6 U4.L8 U4.L11 U4.L12 U4.M6 U4.M8 U4.T11 U4.T12 U4.V11 U4.V12 U4.V13
Net-(C54-Pad2): C54.2 C57.2 C60.2 C63.2 U4.R8 U4.R9 U4.R11 U4.R12
Net-(C56-Pad2): C56.2 C59.2 C62.2 C65.2 C68.2 U4.L18 U4.L19 U4.M13 U4.M15 U4.M16 U4.M18 U4.N18 U4.N19
Net-(C66-Pad2): C66.2 U4.L16
Net-(C69-Pad2): C69.2 U4.J16
Net-(C71-Pad2): C71.2 U4.R6
Net-(C75-Pad2): C75.2 C78.2 C85.2 C90.2 U4.F18 U4.H11 U4.H18 U4.J11
Net-(C92-Pad2): C92.2 C94.2 C96.2 L4.1 U4.R13
Net-(C113-Pad2): C113.2 U6.2 Y1.1
Net-(C114-Pad2): C114.2 U6.3 Y1.3
Net-(C116-Pad1): C116.1 U4.D22 Y2.3
Net-(C117-Pad1): C117.1 U4.D23 Y2.1
Net-(C127-Pad2): C127.2 FB5.2 U9.3
Net-(C128-Pad2): C128.2 C129.2 FB6.1 U9.2 U9.4
Net-(C130-Pad2): C130.2 U10.4
Net-(D1-PadK): D1.K R6.1 R11.2 U2.11
Net-(D2-Pad2): D2.2 R42.2
Net-(D3-Pad2): D3.2 R46.2
Net-(D4-Pad2): D4.2 R49.2
Net-(D5-Pad2): D5.2 R97.2
Net-(D7-PadK): D7.K FB4.1 J3.2